# Allegro board 038RT-9068CJK8E-A100_0921_1.brd (continued)
## Routing (per net, layer and track width the routed paths; a pad name or vN(x,y) marks a point on that pad's centre or on a via; arc(x,y) is an arc through that point) (continued)
SLOT2.CH40: length 300.5
  L34_SIGNAL w0.105: UNK2K233.5 155.69,256.97 155.69,254.89 153.91,253.11 153.91,246.63 151.75,244.47 151.75,227.46 153.65,225.55 153.65,188.85 153.15,188.34 153.15,131.61 194.46,90.3 235.06,90.3 238.24,93.47 238.24,126.87 239.25,127.89 247.89,127.89 248.9,128.91 249.54,128.91 250.81,127.64 252.79,127.64 SLOT2-DOWN.C19
SLOT2.CH41: length 199.8
  L32_SIGNAL w0.105: K233.5 166.31,225.76 165.46,224.92 165.46,198.5 166.48,197.49 166.48,190.37 164.58,188.47 164.58,167.13 175.37,156.34 175.37,125.09 180.45,120.02 195.18,120.02 197.09,121.92 197.72,121.92 198.74,120.9 200.52,120.9 201.15,121.54 223,121.54 223.63,120.9 225.28,120.9 226.17,121.79 239.51,121.79 245.47,127.76 247.38,127.76 248.52,128.91 249.79,128.91 250.94,127.76 254.62,127.76 SLOT2-DOWN.B18
SLOT2.CH42: length 160.6
  L19_SIGNAL w0.1: v1(330.83,219.48) 330.83,218.79 330.73,218.69 326.87,218.69 322.94,214.76 322.94,210.06 318.37,205.49 318.37,160.27 314.56,156.46 268.08,156.46 264.29,152.67 264.29,126.13 261.83,123.68 258.7,123.68 SLOT2-DOWN.A17
  BOTTOM w0.115: v1(330.83,219.48) 330.18,218.83 MUX15.6
SLOT2.CH43: length 164.7
  L19_SIGNAL w0.1: v1(330.83,217.53) 330.83,218.22 330.73,218.32 327.03,218.32 323.31,214.61 323.31,209.91 318.74,205.34 318.74,160.12 314.71,156.1 268.23,156.1 264.65,152.52 264.65,125.98 261.98,123.32 255.06,123.32 SLOT2-DOWN.C17
  BOTTOM w0.115: v1(330.83,217.53) 330.18,218.18 MUX15.7
SLOT2.CH44: length 154.5
  L19_SIGNAL w0.1: SLOT2-DOWN.B16 256.6,121.78 265.77,121.78 268.86,124.86 268.86,151.03 272.39,154.56 317.48,154.56 321.93,159 321.93,202.31 326.87,207.26 330.73,207.26 330.83,207.36 v1(330.83,208.05)
  BOTTOM w0.115: MUX5.6 330.18,207.4 v1(330.83,208.05)
SLOT2.CH45: length 152.5
  L19_SIGNAL w0.1: SLOT2-DOWN.A15 258.57,121.41 265.92,121.41 269.22,124.71 269.22,150.88 272.54,154.2 317.63,154.2 322.29,158.85 322.29,202.16 327.03,206.89 330.73,206.89 330.83,206.79 v1(330.83,206.1)
  BOTTOM w0.115: v1(330.83,206.1) 330.18,206.75 MUX5.7
SLOT2.CH46: length 149.4
  L19_SIGNAL w0.1: SLOT2-DOWN.C15 254.51,119.87 258.45,119.87 258.96,119.36 268.18,119.36 270.64,121.82 270.64,148.73 273.92,152.02 320.4,152.02 326.24,157.86 326.24,185.3 329.57,188.62 329.57,192.51 328.42,193.65 328.42,194.97 329.28,195.83 330.73,195.83 330.83,195.93 v1(330.83,196.62)
  BOTTOM w0.115: MUX2.6 330.18,195.97 v1(330.83,196.62)
SLOT2.CH47: length 147.5
  L19_SIGNAL w0.1: v1(330.83,194.67) 330.83,195.36 330.73,195.46 329.43,195.46 328.79,194.82 328.79,193.8 329.93,192.66 329.93,188.47 326.61,185.15 326.61,157.71 320.56,151.66 274.07,151.66 271,148.58 271,121.67 268.33,119 258.81,119 258.3,119.51 256.66,119.51 SLOT2-DOWN.B14
  BOTTOM w0.115: v1(330.83,194.67) 330.18,195.32 MUX2.7
SLOT2.CH48: length 183.2
  L21_SIGNAL w0.105: SLOT2-DOWN.A13 256.78,117.6 256.78,118.97 256.1,119.65 255.41,119.65 254.77,120.28 254.77,153.06 237.46,170.37 204.81,170.37 199.16,176.02 199.16,184.86 191.71,192.31 184.23,192.31 180.07,196.47 180.07,238.38 K8.8
  BOTTOM w0.115: UNK2CD175.1 K8.8
SLOT2.CH49: length 163.6
  L21_SIGNAL w0.105: K233.4 171.94,221.52 171.94,202.88 183.64,191.19 191.26,191.19 198.27,184.18 198.27,175.59 204.63,169.23 236.76,169.23 252.79,153.2 252.79,117.59 SLOT2-DOWN.C13
SLOT2.CH50: length 267.5
  L11_SIGNAL w0.102: 277.68,202.62 280.1,202.62 v1(280.5,203.02)
  L11_SIGNAL w0.105: v2(165.73,196.71) 167.57,198.55 218.74,198.55 220.52,200.33 274.99,200.33 277.28,202.62 277.68,202.62
  L21_SIGNAL w0.105: v2(165.73,196.71) 172.97,196.71 182.08,187.6 189.51,187.6 195.01,182.11 195.01,174.3 203.82,165.48 235.05,165.48 241.88,158.65 241.88,121.87 245.84,117.91 247.63,117.91 248.85,116.69 249.96,116.69 250.89,115.77 254.6,115.77 SLOT2-DOWN.B12
SLOT2.CH51: length 252.7
  L21_SIGNAL w0.105: v1(102.23,229.07) 102.85,228.44 102.85,187.58 111.74,178.69 178.22,178.69 197.5,159.41 232.64,159.41 237.78,154.27 237.78,114.24 240.24,111.77 247.55,111.77 248.37,110.95 250.25,110.95 250.96,111.66 256.81,111.66 SLOT2-DOWN.A11
  BOTTOM w0.115: v1(102.23,229.07) RR515.2
SLOT2.CH52: length 245.9
  L21_SIGNAL w0.105: SLOT2-DOWN.C11 252.83,113.55 251.09,113.55 250.49,112.95 248.4,112.95 247.51,113.84 242.45,113.84 238.44,117.86 238.44,155.88 233.23,161.09 196.9,161.09 178.54,179.45 112,179.45 103.36,188.09 103.36,228.17 v1(104.26,229.07)
  BOTTOM w0.115: v1(104.26,229.07) RR514.2
SLOT2.CH53: length 255.5
  L21_SIGNAL w0.105: SLOT2-DOWN.B10 254.79,109.64 250.89,109.64 250.15,108.9 248.42,108.9 247.52,109.8 239.43,109.8 236.6,112.64 236.6,153.51 232,158.1 197.73,158.1 177.91,177.93 111.49,177.93 102.47,186.94 102.47,227.58 101.46,228.6 101.46,229.87 v1(100.2,231.13)
  BOTTOM w0.115: v1(100.2,231.13) RR511.2
SLOT2.CH54: length 437.4
  L34_SIGNAL w0.105: UNK3K182.5 521.63,241.69 515.47,235.54 515.47,104.49 498.42,87.43 269.85,87.43 258.57,98.72 258.57,107.81 SLOT2-DOWN.A9
SLOT2.CH55: length 401.7
  L32_SIGNAL w0.105: SLOT2-DOWN.C9 254.68,107.7 258.3,107.7 259.19,106.81 259.19,98.12 270.94,86.37 503.73,86.37 518.68,101.32 518.68,180.61 521.63,183.55 UNK1K182.5
SLOT2.CH56: length 297.6
  L34_SIGNAL w0.105: UNK2K182.5 148.19,255.68 148.19,189.61 146.73,188.15 146.73,182.31 148.32,180.72 148.32,126.66 187.1,87.88 235.57,87.88 242.3,94.62 242.3,103.89 246.24,107.82 247.63,107.82 248.52,108.71 249.79,108.71 250.94,107.57 254.81,107.57 SLOT2-DOWN.B8
SLOT2.CH57: length 263.5
  L21_SIGNAL w0.105: SLOT2-DOWN.A7 256.82,105.56 251.19,105.56 250.49,104.86 248.64,104.86 247.89,105.61 246.86,105.61 246.14,104.89 238.16,104.89 235.4,107.65 235.4,149.59 230.26,154.74 196.25,154.74 176.49,174.5 110.22,174.5 101.46,183.26 101.46,225.04 97.43,229.07 v1(96.13,229.07)
  BOTTOM w0.115: v1(96.13,229.07) RR512.2
SLOT2.CH58: length 243.9
  L32_SIGNAL w0.105: K182.5 164.45,225.53 164.45,198.37 163.43,197.36 163.43,189.61 162.04,188.21 162.04,181.99 154.16,174.12 154.16,117.73 180.7,91.19 234.17,91.19 235.31,92.33 235.31,100.97 237.85,103.5 244.59,103.5 246.87,105.79 247.76,105.79 248.52,105.03 250.55,105.03 251.19,105.66 252.71,105.66 SLOT2-DOWN.C7
SLOT2.CH59: length 265.9
  L21_SIGNAL w0.105: v1(94.1,231.13) 95.11,230.13 95.11,228.85 95.74,228.22 97.77,228.22 100.95,225.04 100.95,182.5 109.84,173.61 176.12,173.61 196.33,153.4 229.84,153.4 234.6,148.64 234.6,106.48 237.18,103.9 247.53,103.9 248.4,103.04 250.34,103.04 250.97,103.67 254.71,103.67 SLOT2-DOWN.B6
  BOTTOM w0.115: v1(94.1,231.13) RR513.2
SLOT2.CH60: length 207
  L21_SIGNAL w0.105: SLOT2-DOWN.A5 256.84,99.68 250.67,99.68 249.82,100.53 248.15,100.53 247.24,99.62 245.08,99.62 243.34,97.88 243.34,91.72 237.98,86.36 117.33,86.36 98.03,67.06 98.03,42.12 S0_TAPSL1.2
  BOTTOM w0.115: RD80.2 S0_TAPSL1.2
SLOT2.CH61: length 211.1
  L21_SIGNAL w0.105: S0_TAPSL0.2 87.87,42.12 87.87,62.48 114.62,89.23 239.81,89.23 242.26,91.68 242.26,98.17 245.63,101.54 247.98,101.54 248.38,101.13 250.14,101.13 250.67,101.66 252.71,101.66 SLOT2-DOWN.C5
  BOTTOM w0.115: RD79.2 S0_TAPSL0.2
SLOT2.CH62: length 153.3
  L21_SIGNAL w0.105: SLOT2-DOWN.B4 254.77,97.61 251.01,97.61 249.96,98.67 248.13,98.67 245.75,96.29 245.75,89.56 239.82,83.63 163.62,83.63 155.94,75.95 155.94,42.76 K82.3
SLOT2.CH63: length 336.8
  L21_SIGNAL w0.105: UNK1K82.3 539.72,35.93 539.72,59.84 534.62,64.95 269.65,64.95 260.97,73.62 260.97,93.41 SLOT2-DOWN.A3
SLOT2.CH64: length 154.6
  L44_SIGNAL w0.105: SLOT2-UP.D27 251.77,393.76 244.71,400.81 157.34,400.81 133.08,425.07 133.08,430.71 UNK2K7.10
SLOT2.CH65: length 184.8
  L21_SIGNAL w0.105: SLOT2-UP.F27 245.55,380.49 245.55,394.9 228.84,411.61 111.36,411.61 104.5,418.47 104.5,431.96 S2_TAPSL1.2
  BOTTOM w0.115: UNK2RD80.2 S2_TAPSL1.2
SLOT2.CH66: length 360.6
  L21_SIGNAL w0.105: v1(83.94,231.13) 82.15,232.92 82.15,257.68 58.78,281.05 58.78,331.09 60.69,332.99 64.37,332.99 68.94,337.57 68.94,341.76 138.41,411.23 227.95,411.23 244.65,394.53 244.65,378.97 245.92,377.7 247.76,377.7 249,376.46 SLOT2-UP.E25
  BOTTOM w0.115: v1(83.94,231.13) RR914.2
SLOT2.CH67: length 571.8
  TOP w0.115: v2(284.92,451.66) v2(284.92,449.12) 286.9,447.14 286.9,443.15 286.26,442.51 UNK2HOST1.26
  L19_SIGNAL w0.105: v2(284.92,451.66) 284.15,452.43 284.15,454.19 267.18,471.17 63.41,471.17 58.32,466.08 58.32,410.97 55.62,408.27 49.63,408.27 46.53,405.17 46.53,370.98 51.33,366.19 182.41,366.19 196.77,380.54 249.38,380.54 250.7,379.22 250.7,375.6 SLOT2-UP.D25
SLOT2.CH68: length 353.4
  L21_SIGNAL w0.105: SLOT2-UP.F25 244.2,377.83 244.2,393.7 227.87,410.03 140.65,410.03 93.9,363.28 93.9,360.62 62.85,329.56 62.85,278.26 84.57,256.54 84.57,230.47 v1(85.97,229.07)
  BOTTOM w0.115: v1(85.97,229.07) RR915.2
SLOT2.CH69: length 323.9
  L21_SIGNAL w0.105: v1(88,231.13) 85.84,233.3 85.84,244.86 86.47,245.49 86.47,255.78 82.53,259.71 82.53,278.76 81.14,280.16 81.14,300.48 77.58,304.04 77.58,337.69 136.54,396.65 232.49,396.65 243.7,385.44 243.7,374.78 246.71,371.77 SLOT2-UP.E23
  BOTTOM w0.115: v1(88,231.13) RR910.2
SLOT2.CH70: length 419
  L34_SIGNAL w0.105: v1(508.14,224.93) 508.87,225.66 508.87,368.89 491.47,386.29 266.28,386.29 259.32,379.33 259.32,372.62 258.17,371.48 252.7,371.48 SLOT2-UP.D23
SLOT2.CH71: length 372.8
  L32_SIGNAL w0.105: v1(508.14,269.05) 508.14,370.39 496.04,382.5 268.35,382.5 265.25,379.39 265.25,378.17 258.56,371.48 250.55,371.48 249.85,370.77 SLOT2-UP.F23
SLOT2.CH72: length 192.7
  L34_SIGNAL w0.105: v2(184.38,223.4) 185.28,224.3 185.28,257.43 187.69,259.84 187.69,279.91 189.09,281.31 189.09,287.15 195.18,293.24 195.18,311.66 198.23,314.71 224.14,314.71 234.43,324.99 234.43,364.11 238.08,367.77 SLOT2-UP.E21
SLOT2.CH73: length 161.8
  L32_SIGNAL w0.105: v2(182.09,267.53) 183.24,268.68 183.24,312.8 191.88,321.44 232.01,321.44 235.31,324.74 235.31,366.14 236.33,367.16 245.35,367.16 246.62,365.89 247.89,365.89 248.54,366.54 SLOT2-UP.D21
SLOT2.CH74: length 324.6
  L21_SIGNAL w0.102: 84.36,258.65 84.41,258.6
  L21_SIGNAL w0.105: SLOT2-UP.F21 245.38,364.87 243.19,364.87 242.02,366.04 242.02,385.59 232.89,394.73 140.33,394.73 82.28,336.68 82.28,283.46 84.06,281.69 84.06,258.95 84.36,258.65 ; v1(90.04,229.07) 89.52,229.59 89.52,253.49 84.41,258.6
  BOTTOM w0.115: v1(90.04,229.07) RR911.2
SLOT2.CH75: length 328.7
  L21_SIGNAL w0.102: 84.92,258.6 84.44,259.08 84.44,273.84
  L21_SIGNAL w0.105: 84.44,273.84 84.44,281.94 82.91,283.46 82.91,336.8 140.48,394.37 232.74,394.37 241.66,385.44 241.66,362.84 242.17,362.33 245.6,362.33 247.04,363.77 SLOT2-UP.E19 ; v1(92.07,229.07) 91.42,229.71 91.42,243.59 90.53,244.47 90.53,252.98 84.92,258.6
  BOTTOM w0.115: v1(92.07,229.07) RR913.2
SLOT2.CH76: length 185
  L21_SIGNAL w0.105: SLOT2-UP.D19 252.95,363.73 258.43,363.73 265.41,370.71 265.41,380.49 272.4,387.48 289.8,387.48 299.7,377.57 299.7,332.36 316.85,315.21 316.85,277.88 315.83,276.86 315.83,271.14 v1(313.76,269.07)
SLOT2.CH77: length 256.9
  L21_SIGNAL w0.105: SLOT2-UP.F19 246.33,361.82 240.9,361.82 240.14,362.58 240.14,385.7 234.01,391.83 141.34,391.83 95.11,345.59 95.11,304.55 83.94,293.38 v1(83.94,291.13)
  BOTTOM w0.115: v1(83.94,291.13) UNK2RR914.2
SLOT2.CH78: length 261.8
  L21_SIGNAL w0.105: v1(85.97,289.07) 87.23,290.33 87.23,292.74 87.87,293.37 87.87,295.53 95.61,303.28 95.61,345.38 141.55,391.32 233.89,391.32 239.76,385.44 239.76,360.17 241.41,358.52 245.86,358.52 247.1,359.77 SLOT2-UP.E17
  BOTTOM w0.115: v1(85.97,289.07) UNK2RR915.2
SLOT2.CH79: length 176
  L21_SIGNAL w0.105: v1(310.59,269.07) 310.59,279.19 309.23,280.54 309.23,314.45 294.88,328.8 294.88,376.56 287.77,383.67 275.07,383.67 270.11,378.71 270.11,369.19 260.33,359.41 252.64,359.41 SLOT2-UP.D17
SLOT2.CH80: length 257.8
  L21_SIGNAL w0.105: SLOT2-UP.F17 245.63,357.12 239.38,357.12 238.36,358.14 238.36,385.13 232.8,390.68 141.81,390.68 96.25,345.12 96.25,303.02 89.77,296.55 89.77,292.9 v1(88,291.13)
  BOTTOM w0.115: v1(88,291.13) UNK2RR910.2
SLOT2.CH81: length 259.5
  L21_SIGNAL w0.105: v1(90.04,289.07) 91.42,290.45 91.42,296.04 97.01,301.62 97.01,344.81 142.13,389.92 232.49,389.92 237.98,384.43 237.98,357.25 239.47,355.77 SLOT2-UP.E15
  BOTTOM w0.115: v1(90.04,289.07) UNK2RR911.2
SLOT2.CH82: length 146.4
  L21_SIGNAL w0.102: 283.3,258.6 283.3,258.6 283.3,261.82 v1(282.9,262.22)
  L21_SIGNAL w0.105: 283.3,258.6 283.3,257.74 281.08,255.52 259.32,255.52 252.21,262.64 252.21,275.84 254.36,278 254.36,289.69 262.75,298.07 262.75,352.3 259.44,355.6 252.83,355.6 SLOT2-UP.D15
SLOT2.CH83: length 253.8
  L21_SIGNAL w0.105: SLOT2-UP.F15 239.45,354.77 237.47,356.74 237.47,383.79 234,387.27 141.64,387.27 100.82,346.46 100.82,304.29 93.58,297.05 93.58,290.58 v1(92.07,289.07)
  BOTTOM w0.115: v1(92.07,289.07) UNK2RR913.2
SLOT2.CH84: length 255.1
  L21_SIGNAL w0.105: v1(94.1,291.13) 95.49,292.52 95.49,297.81 101.46,303.78 101.46,346.33 141.86,386.73 233.77,386.73 236.97,383.54 236.97,352.81 238.01,351.77 SLOT2-UP.E13
  BOTTOM w0.115: v1(94.1,291.13) UNK2RR513.2
SLOT2.CH85: length 119.5
  L21_SIGNAL w0.105: SLOT2-UP.D13 252.63,351.41 259.06,351.41 261.22,349.25 261.22,312.55 252.59,303.91 225.03,303.91 222.36,301.24 222.36,274.68 v1(223.73,273.31)
SLOT2.CH86: length 412.4
  L34_SIGNAL w0.105: SLOT2-UP.F13 249.01,350.77 251.89,353.64 258.57,353.64 260.33,355.41 260.33,376.62 267.48,383.77 470.36,383.77 478.93,375.2 478.93,303.06 484.21,297.78 484.21,272.31 486.9,269.62 486.9,240.41 489.06,238.25 489.06,229.82 UNK1K180.5
SLOT2.CH87: length 362.4
  L32_SIGNAL w0.105: UNK3K180.5 489.06,273.94 489.06,314.45 481.06,322.45 481.06,371.25 471.52,380.79 271.57,380.79 263.13,372.35 263.13,356.11 258.43,351.41 250.81,351.41 250.05,350.65 250.05,348.81 SLOT2-UP.E11
SLOT2.CH88: length 165.7
  L34_SIGNAL w0.105: K180.5 200.9,221.07 200.9,257.18 203.44,259.71 203.44,279.91 201.41,281.94 201.41,306.83 206.99,312.42 228.46,312.42 236.97,320.93 236.97,344.04 239.12,346.2 246.71,346.2 SLOT2-UP.F11
SLOT2.CH89: length 124.2
  L32_SIGNAL w0.105: SLOT2-UP.E9 238.97,343.77 237.22,342.01 237.22,322.2 233.66,318.64 205.22,318.64 198.48,311.91 198.48,265.32 UNK2K180.5
SLOT2.CH90: length 261.9
  L21_SIGNAL w0.105: v1(96.13,289.07) 97.27,290.2 97.27,295.66 102.09,300.48 102.09,346.2 142.09,386.2 233.55,386.2 236.46,383.29 236.46,344.93 238.62,342.77 SLOT2-UP.F9
  BOTTOM w0.115: v1(96.13,289.07) UNK2RR512.2
SLOT2.CH91: length 263.8
  L21_SIGNAL w0.105: v1(98.16,289.07) 99.3,290.2 99.3,295.78 102.6,299.08 102.6,345.69 142.38,385.48 233.25,385.48 235.95,382.78 235.95,342.77 238.96,339.77 SLOT2-UP.E7
  BOTTOM w0.115: v1(98.16,289.07) UNK2RR510.2
SLOT2.CH92: length 258.2
  L21_SIGNAL w0.105: SLOT2-UP.F7 246.45,337.95 239.38,337.95 235.44,341.88 235.44,381.76 233.31,383.89 142.07,383.89 103.23,345.06 103.23,297.81 101.33,295.91 101.33,292.27 v1(100.2,291.13)
  BOTTOM w0.115: v1(100.2,291.13) UNK2RR511.2
SLOT2.CH93: length 261.4
  L21_SIGNAL w0.105: SLOT2-UP.E5 238.64,335.77 234.81,339.6 234.81,381.25 232.98,383.08 142.4,383.08 107.3,347.98 107.3,296.93 103.23,292.86 103.23,290.07 v1(102.23,289.07)
  BOTTOM w0.115: v1(102.23,289.07) UNK2RR515.2
SLOT2.CH94: length 257.7
  L21_SIGNAL w0.105: v1(104.26,289.07) 105.52,290.33 105.52,292.61 107.93,295.02 107.93,347.34 142.77,382.18 232.61,382.18 234.17,380.62 234.17,339.09 237.98,335.28 246.76,335.28 SLOT2-UP.F5
  BOTTOM w0.115: v1(104.26,289.07) UNK2RR514.2
SLOT2.CH95: length 257.4
  L21_SIGNAL w0.105: v1(106.29,291.13) 108.82,293.66 108.82,346.96 143.15,381.29 232.24,381.29 233.66,379.86 233.66,336.3 238.19,331.77 SLOT2-UP.E3
  BOTTOM w0.115: v1(106.29,291.13) UNK2RR912.2
SLOT2.CH96: length 297.2
  L07_SIGNAL w0.1: K58.3 61,161.33 61.1,161.22 61.1,150.91 61,150.81 K56.2
  L19_SIGNAL w0.1: 235.59,139.6 237.95,141.96 248.88,141.96 SLOT2-DOWN.E25 ; 65.37,151.53 64.27,152.64 61.81,152.64 61.1,151.93 61.1,150.91 61,150.81 K56.2 ; 160.28,81.77 150.5,91.55
  L19_SIGNAL w0.105: 150.5,91.55 105.86,91.55 65.37,132.04 65.37,151.53 ; 235.59,139.6 235.59,92.55 224.81,81.77 160.28,81.77
SLOT2.CH97: length 300.6
  L07_SIGNAL w0.1: K56.7 61.57,150.81 61.47,150.91 61.47,161.22 61.57,161.33 K58.6
  L19_SIGNAL w0.1: 160.13,81.41 150.35,91.19 ; K56.7 61.57,150.81 61.47,150.91 61.47,151.78 61.96,152.27 64.12,152.27 65.01,151.38 ; 235.95,139.45 238.1,141.6 247.77,141.6 248.52,140.84 249.53,140.84 SLOT2-DOWN.D24
  L19_SIGNAL w0.105: 160.13,81.41 224.96,81.41 235.95,92.4 235.95,139.45 ; 150.35,91.19 105.71,91.19 65.01,131.89 65.01,151.38
SLOT2.CH98: length 324.9
  L07_SIGNAL w0.1: K52.2 53.96,150.81 54.06,150.91 54.06,161.22 53.96,161.33 K54.3
  L19_SIGNAL w0.1: 238.35,135.53 240.74,137.92 242.93,137.92 244.59,139.57 246.54,139.57 SLOT2-DOWN.F24 ; 158.58,79.77 150.73,87.63 ; K52.2 53.96,150.81 54.06,150.71 54.06,141.58 46.47,133.99
  L19_SIGNAL w0.105: 158.58,79.77 226.63,79.77 238.35,91.49 238.35,135.53 ; 46.47,133.99 46.47,106.28 65.11,87.63 150.73,87.63
SLOT2.CH99: length 327
  L07_SIGNAL w0.1: K52.7 54.52,150.81 54.42,150.91 54.42,161.22 54.52,161.33 K54.6
  L19_SIGNAL w0.1: SLOT2-DOWN.E23 248.4,138.44 248.4,139.06 247.52,139.94 244.44,139.94 242.78,138.29 240.59,138.29 237.98,135.68 ; K52.7 54.52,150.81 54.42,150.71 54.42,141.43 46.83,133.83 ; 158.73,80.14 150.88,87.99
  L19_SIGNAL w0.105: 158.73,80.14 226.48,80.14 237.98,91.64 237.98,135.68 ; 46.83,133.83 46.83,106.43 65.26,87.99 150.88,87.99
SLOT2.CH100: length 203.3
  L19_SIGNAL w0.1: 239.78,134.26 241.39,135.87 247.78,135.87 249.04,134.61 SLOT2-DOWN.D22 ; 135.87,75.56 123.55,63.25 123.55,51.82 122.79,51.05 121.4,51.05 120.77,51.68 120.77,52.52 120.87,52.62 K243.2
  L19_SIGNAL w0.105: 135.87,75.56 227.8,75.56 239.78,87.54 239.78,134.26
SLOT2.CH101: length 199.1
  L19_SIGNAL w0.1: 136.02,75.2 123.92,63.1 123.92,51.67 122.94,50.69 121.25,50.69 120.4,51.53 120.4,52.52 120.3,52.62 K243.7 ; 240.14,134.11 241.54,135.51 246.6,135.51 SLOT2-DOWN.F22
  L19_SIGNAL w0.105: 240.14,134.11 240.14,87.39 227.95,75.2 136.02,75.2
SLOT2.CH102: length 483.7
  L34_SIGNAL w0.105: UNK3K232.4 519.98,274.45 516.49,274.45 515.73,273.69 515.73,260.22 519.03,256.92 519.03,246.04 510.97,237.98 510.97,104.94 495.61,89.59 273.75,89.59 259.83,103.51 259.83,131.95 257.94,133.84 SLOT2-DOWN.E21
SLOT2.CH103: length 435
  L32_SIGNAL w0.105: SLOT2-DOWN.D20 252.71,129.67 259.06,129.67 262.49,126.24 262.49,100.63 274,89.12 501.44,89.12 515.48,103.16 515.48,229.11 516.87,230.5 520.16,230.5 UNK1K232.4
SLOT2.CH104: length 268.1
  L34_SIGNAL w0.105: UNK2K232.4 168.61,158.78 175.12,152.27 175.12,112.41 196.34,91.19 233.79,91.19 236.33,93.73 236.33,127.76 237.98,129.41 245.85,129.41 SLOT2-DOWN.F20
SLOT2.CH105: length 167.8
  L32_SIGNAL w0.105: SLOT2-DOWN.E19 246.28,129.84 240.01,123.57 226.17,123.57 225.03,124.71 223.63,124.71 222.49,123.57 201.15,123.57 199.88,124.84 198.74,124.84 197.98,124.08 182.74,124.08 177.53,129.29 177.53,156.97 170.9,163.61 K232.4
SLOT2.CH106: length 189.9
  L19_SIGNAL w0.1: K241.2 127.22,52.62 127.12,52.52 127.12,51.68 127.62,51.18 129.9,51.18 130.92,52.2 130.92,64.77 139.81,73.66 ; SLOT2-DOWN.D18 248.91,126.61 247.52,128 243.67,128 242.06,126.39
  L19_SIGNAL w0.105: 242.06,126.39 242.06,87.12 228.6,73.66 139.81,73.66
SLOT2.CH107: length 185.8
  L19_SIGNAL w0.1: K241.7 126.65,52.62 126.75,52.52 126.75,51.53 127.47,50.82 130.06,50.82 131.28,52.05 131.28,64.62 139.96,73.3 ; SLOT2-DOWN.F18 246.47,127.64 243.82,127.64 242.43,126.24
  L19_SIGNAL w0.105: 139.96,73.3 228.75,73.3 242.43,86.97 242.43,126.24
SLOT2.CH108: length 175.2
  L19_SIGNAL w0.1: SLOT2-DOWN.E17 248.87,125.97 244.94,125.97 243.59,124.61 243.59,83 231.96,71.37 143.49,71.37 134.37,62.25 134.37,53.92 134.27,53.82 K242.2
SLOT2.CH109: length 178.6
  L19_SIGNAL w0.1: SLOT2-DOWN.D16 249.54,124.84 248.65,124.84 247.89,125.6 245.09,125.6 243.95,124.46 243.95,82.85 232.11,71.01 143.64,71.01 134.74,62.1 134.74,53.92 134.84,53.82 K242.7
SLOT2.CH110: length 163.4
  L19_SIGNAL w0.1: 245.11,120.67 SLOT2-DOWN.F16 ; 148.07,69.09 140.72,61.75 140.72,53.92 140.62,53.82 K240.2
  L19_SIGNAL w0.105: 245.11,120.67 245.11,82.62 231.58,69.09 148.07,69.09
SLOT2.CH111: length 164.3
  L19_SIGNAL w0.1: K240.7 141.19,53.82 141.09,53.92 141.09,61.59 148.22,68.72 ; 245.47,120.52 246.79,121.84 SLOT2-DOWN.E15
  L19_SIGNAL w0.105: 148.22,68.72 231.73,68.72 245.47,82.47 245.47,120.52
SLOT2.CH112: length 125.6
  TOP w0.115: v2(221.59,27.05) 219.61,29.03 219.61,33.02 220.26,33.66 HOST1.26
  L19_SIGNAL w0.102: 225.78,41.53 224.9,40.64
  L19_SIGNAL w0.105: v2(221.59,24.51) 222.27,25.19 222.27,34.62 224.54,36.89 224.54,40.28 224.9,40.64 ; SLOT2-DOWN.D14 249.82,116.67 249.82,64.72 245.26,60.15 245.26,50.22 237.62,42.58 226.83,42.58 225.78,41.53
  L40_SIGNAL w0.105: v2(221.59,27.05) v2(221.59,24.51)
SLOT2.CH113: length 262.9
  L11_SIGNAL w0.102: 277.68,203.42 280.9,203.42 v1(281.3,203.02)
  L11_SIGNAL w0.105: 277.68,203.42 276.95,203.42 274.66,201.13 220.19,201.13 218.41,199.35 166.85,199.35 v2(164.21,196.71)
  L21_SIGNAL w0.105: SLOT2-DOWN.F14 243.07,123.04 243.07,159.74 235.95,166.87 203.92,166.87 196.05,174.74 196.05,183.22 190.53,188.73 182.64,188.73 173.38,197.99 165.49,197.99 v2(164.21,196.71)
SLOT2.CH114: length 160.5
  L21_SIGNAL w0.105: K232.5 169.66,218.32 169.66,201.68 172.32,199.01 174.04,199.01 183.09,189.95 190.84,189.95 197.2,183.59 197.2,175.04 204.07,168.17 236.17,168.17 250.22,154.11 250.22,119.06 SLOT2-DOWN.E13
SLOT2.CH115: length 120.2
  TOP w0.115: HOST1.27 220.66,33.06 220.89,32.82 220.89,29.28 v2(223.12,27.05)
  L19_SIGNAL w0.105: SLOT2-DOWN.D12 250.7,113.54 250.7,64.6 246.2,60.1 246.2,49.92 237.97,41.68 228.38,41.68 226.73,40.03 226.73,35.32 223.76,32.35 223.76,25.16 v2(223.12,24.51)
  L40_SIGNAL w0.105: v2(223.12,27.05) v2(223.12,24.51)
SLOT2.CH116: length 219
  L21_SIGNAL w0.105: SLOT2-DOWN.F12 242.86,114.84 239.76,117.93 239.76,156.68 233.89,162.55 197.96,162.55 179.28,181.23 117.71,181.23 116.19,182.75 116.19,218.88 v1(115.62,219.45)
  BOTTOM w0.115: v1(115.62,219.45) RR930.2
SLOT2.CH117: length 237.4
  L21_SIGNAL w0.105: SLOT2-DOWN.E11 248.17,114.67 248.17,115.33 247.57,115.93 243.3,115.93 240.37,118.86 240.37,157.9 234.5,163.77 197.46,163.77 179.49,181.74 120.38,181.74 118.09,184.02 118.09,222.88 109.84,231.13 v1(106.29,231.13)
  BOTTOM w0.115: v1(106.29,231.13) RR912.2
SLOT2.CH118: length 445.9
  L34_SIGNAL w0.105: UNK3K182.4 520.56,262.61 520.56,245.43 512.21,237.09 512.21,102.76 497.34,87.88 271.27,87.88 259.03,100.11 259.03,108.74 258.05,109.73 252.65,109.73 SLOT2-DOWN.D10
SLOT2.CH119: length 411.1
  L32_SIGNAL w0.105: SLOT2-DOWN.F10 250.08,110.84 251.19,109.73 258.81,109.73 260.21,108.33 260.21,98.96 272.14,87.03 502.6,87.03 517.73,102.16 517.73,181.22 520.56,184.05 520.56,218.49 UNK1K182.4
SLOT2.CH120: length 282.5
  L34_SIGNAL w0.105: UNK2K182.4 166.58,272.9 149.97,256.29 149.97,242.32 148.83,241.17 148.83,190.25 150.61,188.47 150.61,130.22 191.54,89.28 235.57,89.28 239.76,93.47 239.76,103.38 246.22,109.84 SLOT2-DOWN.E9
SLOT2.CH121: length 220
  L32_SIGNAL w0.105: K182.4 168.43,228.77 164.96,225.3 164.96,190.12 163.31,188.47 163.31,179.7 155.3,171.7 155.3,118.62 170.16,103.76 197.85,103.76 198.74,102.87 200.52,102.87 201.28,103.63 222.74,103.63 223.63,102.74 225.03,102.74 226.3,101.47 234.68,101.47 240.04,106.84 SLOT2-DOWN.F8
SLOT2.CH122: length 252.3
  L21_SIGNAL w0.105: v1(98.16,229.07) 101.96,225.27 101.96,184.53 110.09,176.4 177.28,176.4 197.29,156.39 231.15,156.39 236.06,151.47 236.06,109.5 239.49,106.07 244.62,106.07 246.38,107.82 247.71,107.82 248.24,107.29 248.24,106.6 SLOT2-DOWN.E7
  BOTTOM w0.115: v1(98.16,229.07) RR510.2
SLOT2.CH125: length 151.8
  L21_SIGNAL w0.105: K82.10 149.21,41.11 149.21,78.73 155.31,84.84 238.83,84.84 244.4,90.4 244.4,97.38 245.85,98.84 SLOT2-DOWN.F4
SLOT2.CH126: length 341.1
  L21_SIGNAL w0.105: SLOT2-DOWN.E3 249.91,96.93 249.91,77.56 264.73,62.74 532.31,62.74 535.88,59.16 535.88,34.7 UNK1K82.10
SLOT2.CH127: length 2218.3
  L42_SIGNAL w1.524: BST_P45V.1 17.1,421.74 17.1,472.03 21.4,476.33 28.07,476.33 31.92,480.19 56.31,480.19 64.95,471.55 144.75,471.55 159.75,456.55 201.87,456.55 209.85,464.53 543,464.53 554.54,452.99 562.79,452.99 565.49,450.29 573.46,450.29 v2(574.09,449.66)
  L44_SIGNAL w0.105: SLOT2-DOWN.F2 244.84,92.4 244.84,79.25 233.79,68.2 115.05,68.2 107.68,60.83 107.68,43.81 109.33,42.16 114.54,42.16 115.55,41.15 115.55,36.53 v2(116.24,35.84) 114.54,34.15 114.54,17.27 126.73,5.08 550.91,5.08 559.16,13.34 559.16,26.9 v2(573.67,41.41) 574.28,42.02 574.28,53.59 580.63,59.94 580.63,109.98 601.46,130.81 601.46,167.51 608.19,174.24 608.19,189.1 606.54,190.75 606.54,194.94 607.17,195.58 607.17,212.09 608.82,213.74 608.82,225.55 606.66,227.71 589.64,227.71 587.87,229.49 587.87,235.71 589.39,237.24 589.39,280.03 575.29,294.13 575.29,448.45 v2(574.09,449.66) 575.42,450.99 575.42,456.82 564.88,467.36 219.06,467.36 203.56,451.87 158.69,451.87 v2(157.88,452.68)
SLOT2.DGS0: length 0.5
  TOP w0.254: SLOT2-DOWN.B26 255.76,142.62 UNK2STB00.1
SLOT2.DGS64: length 0.5
  TOP w0.254: UNK2STB64.1 255.76,334.55 SLOT2-UP.B5
SLOT2.UB0: length 374.1
  L24_RLY w0.203: v1(52.25,238.62) 59.68,238.62 61.32,236.98 61.32,180.85 48.75,168.28 48.75,144.14 51.67,141.22 95.23,141.22 97.65,138.81 97.65,114.68 137.52,74.8 248.4,74.8 257.77,84.17 SLOT2-DOWN.A1
  BOTTOM w0.254: RU7.1 52.25,237.28 v1(52.25,238.62)
